# Altium PCB Mixed Signal Board Project.PcbDoc (part 2 of 3)
Units mm, origin at the board's own origin, x right, y up, seen from the top; angles counter-clockwise.
Board outline 70.23 x 70.1 mm, 4 copper layers (Top Layer, GND, VCC, Bottom Layer), stack 1.565 mm thick; 189 components, 143 nets, 740 pads, 392 vias.
Unrouted connection lines stored in the file: 6.
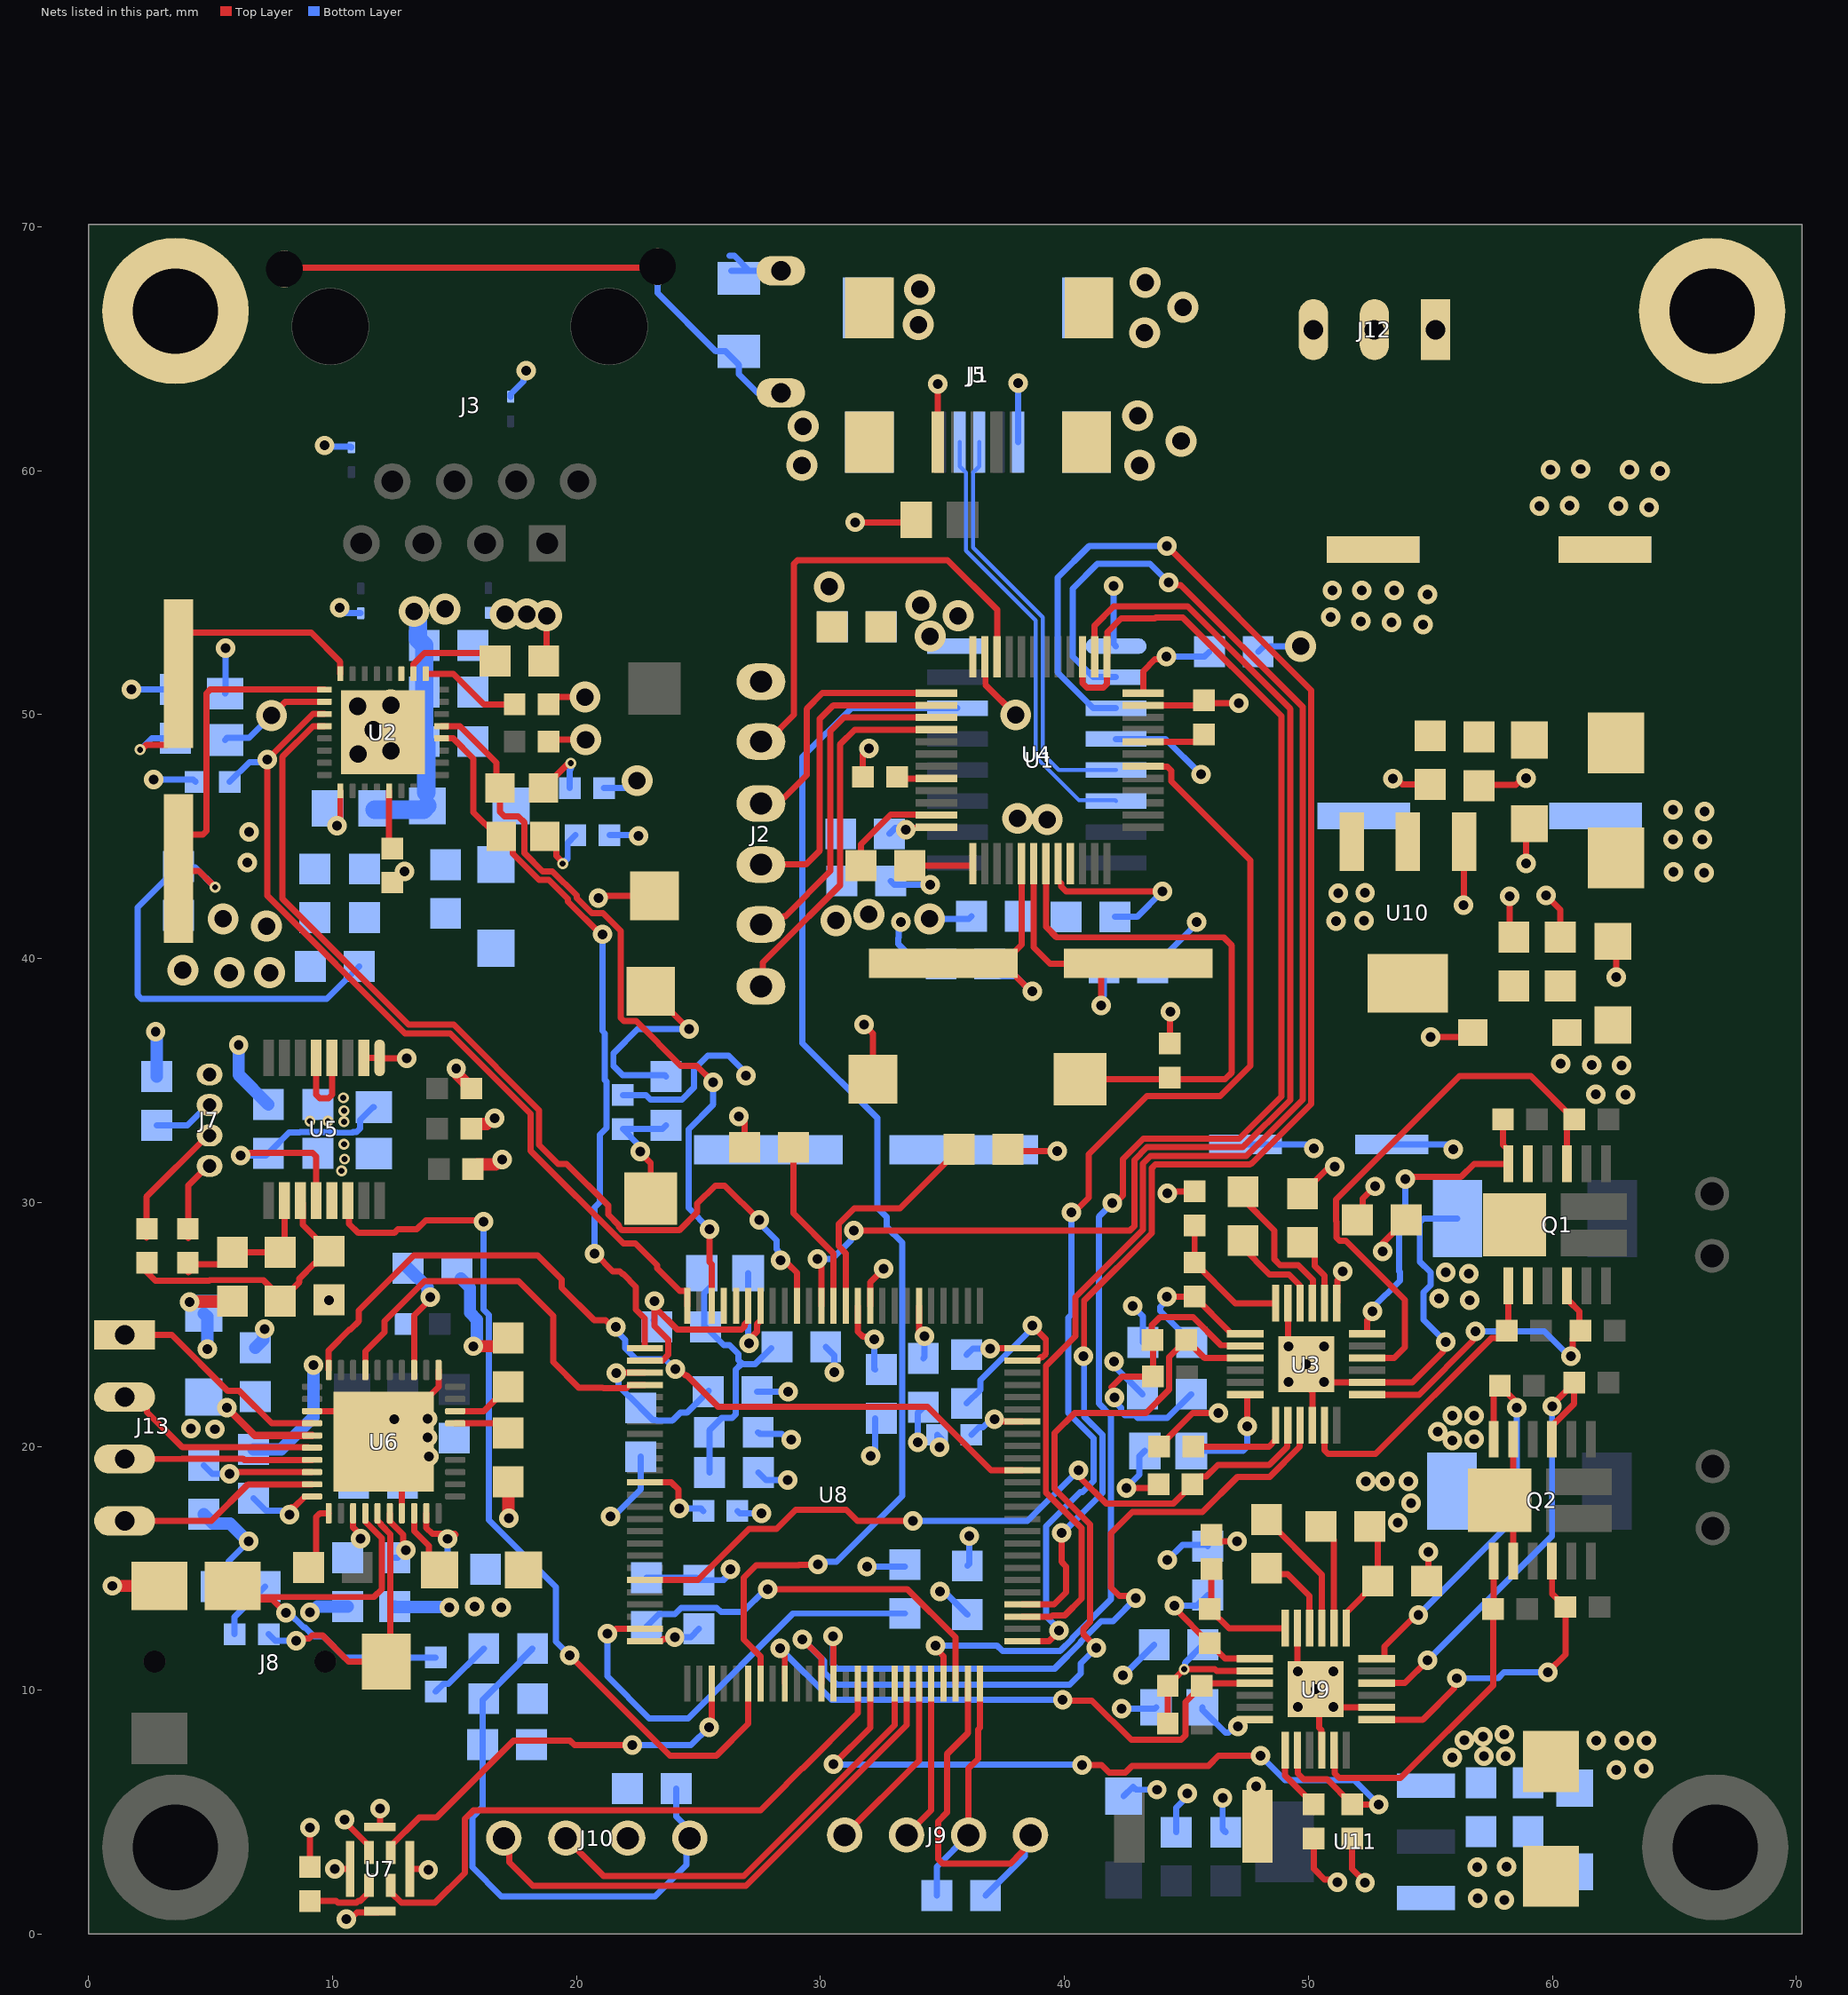
[diagram p4: the nets of this part, all layers, seen from the top]

## Via types
v1: diameter 0.8, hole 0.4, Top Layer to Bottom Layer, tented both sides, 339 vias
v2: diameter 1.27, hole 0.711, Top Layer to Bottom Layer, tented both sides, 40 vias
v3: diameter 0.45, hole 0.25, Top Layer to Bottom Layer, tented both sides, 13 vias

## Nets (pads, with @x,y where several pads share a name; then routed paths per layer and width w, separated by ;. In a path a pad name is that pad's centre, name@x,y a point inside that pad or via, vN(x,y) a via of type N, cw(c..) or ccw(c..) an arc to the next point about the centre after c; other vN are vias at no path point) (continued)
+3V3: C1.2 C2.1 C3.1 C5.2 C7.2 C8.2 C9.1 C16.2 C17.2 C18.2 C19.1 C26.2 C27.2 C30.2 C40.2 C41.2 C42.2 C43.2 C48.2 C49.2 C50.2 C51.2 C55.2 C56.2 C57.2 C58.2 C59.2 C60.2 C67.2 C75.2 C76.2 C77.2 D6.K FB1.1 FB2.1 FB4.1 J7.3 J9.3 J10.3 R2.2 R3.2 R5.2 R8.2 R9.2 R11.1 R21.1 R25.2 R26.2 R27.2 R32.2 R33.1 R35.2 R45.1 U1.1 U1.9 U1.24 U1.36 U1.48 U2.17 U4.4 U4.16 U5.13 U6.5 U6.8 U6.33 U7.1 U8.6 U8.11 U8.19 U8.28 U8.50 U8.75 U8.100 U10.2 U10.4 | length 93.8
  Top Layer w0.254: v1(5.78,18.872) 5.893,18.872 5.944,18.923 6.02,18.923 6.04,18.943 U6.8@9.155,18.943 ; R33.1@9.068,2.756 v1(9.068,4.369) ; v1(10.185,45.441) 10.185,45.588 10.315,45.718 U2.17@10.315,46.876 ; v1(10.49,4.699) 10.49,4.615 11.488,3.617 U7.1@11.488,3.342 ; R9.2@12.446,43.116 12.901,43.571 v1(12.939,43.571) ; U6.33@13.34,23.128 13.34,25.37 13.995,26.025 v1(13.995,26.111) ; R5.2@18.856,48.895 18.932,48.971 v2(20.371,48.971) ; R8.2@18.856,50.419 19.161,50.724 v2(20.345,50.724) ; v1(21.621,23.007) 21.632,23.018 U8.28@22.797,23.018 ; J10.3@22.098,3.937 J10.3@22.186,4.025 ; U8.50@22.797,12.018 23.473,12.018 23.555,12.099 23.946,12.099 v1(24.021,12.175) ; v1(27.075,24.232) 27.075,24.379 27.389,24.693 27.389,24.999 27.535,25.145 U8.19@27.535,25.756 ; v1(31.42,57.887) 33.823,57.887 R2.2@33.924,57.988 ; U8.11@31.535,25.756 31.535,24.696 31.742,24.488 32.103,24.488 v1(32.207,24.384) ; v1(33.503,45.279) 33.584,45.36 34.728,45.36 U1.48@34.751,45.383 ; U8.6@34.035,25.756 34.035,24.687 v1@34.085,24.636 ; v1(34.493,43.028) 34.442,43.028 C3.1@33.655,43.815 36.216,43.815 36.239,43.838 U1.1@36.239,43.895 ; J9.3@36.068,4.064 36.068,6.795 36.457,7.184 36.457,8.388 36.535,8.465 U8.75@36.535,10.28 ; v1(36.957,24.003) 36.972,24.018 U8.100@38.273,24.018 ; U1.24@43.227,50.883 43.227,51.787 43.711,52.27 44.066,52.27 v1(44.171,52.375) ; R21.1@43.879,19.99 45.256,21.368 v1(46.308,21.368) ; R3.2@44.323,36.513 44.323,37.795 v1(44.348,37.821) ; R45.1@50.216,3.924 50.216,2.681 50.659,2.238 51.077,2.238 v1(51.181,2.134)
  Top Layer w0.3: v1(5.664,21.59) 6.809,20.445 9.153,20.445 U6.5@9.155,20.443
  Top Layer w0.508: v1(15.066,35.488) 15.122,35.432 15.122,35.234 R27.2@15.685,34.671 ; R26.2@15.685,33.02 15.875,33.21 16.317,33.21 16.558,33.452 v1(16.637,33.452) ; R25.2@15.748,31.369 15.938,31.559 16.672,31.559 16.863,31.75 v1(16.942,31.75)
  Bottom Layer w0.254: v1(2.667,47.346) 4.28,47.346 R11.1@4.382,47.244 ; C30.2@2.794,33.163 4.045,33.163 4.878,33.996 J7.3@4.953,33.996 ; C40.2@4.724,19.212 5.064,18.872 v1(5.78,18.872) ; v1(21.621,23.007) 21.726,22.902 21.726,22.48 22.627,21.579 C58.2@22.627,21.569 ; R35.2@21.895,34.404 22.84,34.404 23.031,34.214 24.315,34.214 24.816,34.715 24.816,35.458 25.375,36.017 26.238,36.017 26.949,35.306 v1(26.949,35.204) ; C58.2@22.631,21.574 23.139,21.066 23.279,21.066 23.288,21.057 23.929,21.057 24.248,21.375 24.523,21.375 C59.2@25.416,22.268 ; v1(24.021,12.175) 24.681,12.175 C57.2@25.019,12.513 ; FB4.1@27.036,27.102 27.036,24.271 v1(27.075,24.232) ; v1(32.207,24.384) 32.207,23.174 C60.2@32.233,23.149 ; C1.2@32.826,45.11 33.08,45.364 33.417,45.364 v1(33.503,45.279) ; C2.1@32.877,43.18 33.029,43.028 v1(34.493,43.028) ; C67.2@34.214,23.606 34.263,23.655 v1(34.263,24.509) ; C50.2@34.763,1.575 34.763,2.759 J9.3@36.068,4.064 ; v1(34.9,14.046) 35.068,14.046 C56.2@36.017,13.097 ; C55.2@35.992,23.758 36.236,24.003 v1(36.957,24.003) ; U4.4@42.112,48.997 44.145,48.997 v1(45.593,47.549) ; v1(44.171,52.375) 45.736,52.375 C9.1@45.939,52.578
  Bottom Layer w0.508: C43.2@13.097,27.305 13.891,26.511 13.891,26.216 v1(13.995,26.111)
  other v1: 5.182,20.701 4.191,20.726 62.992,34.417 61.773,34.442 62.84,35.611 61.62,35.636 60.35,35.687 6.502,43.942 6.579,45.187
  other v2: 39.294,45.695 38.075,45.745 34.493,53.213 35.636,54.051 34.112,54.483
  other v3: 10.363,31.293 10.49,31.775 10.465,32.385
+12V: C22.2 C23.1 C68.2 C72.1 C73.1 C74.1 C90.2 C92.2 D5.A D7.A J12.3 Q1.2 Q1.11 Q1.15 Q2.2 Q2.11 Q2.15 U3.1 U9.1 | length 17.8
  Top Layer w0.254: C22.2@49.759,30.362 50.757,31.361 50.98,31.361 v1(51.084,31.466) ; U3.1@51.161,25.868 51.184,25.891 51.184,26.805 51.402,27.022 v1(51.402,27.17) ; U9.1@51.542,12.533 51.565,12.556 51.565,13.195 C92.2@52.848,14.478 52.848,16.377 C68.2@52.511,16.713 ; C90.2@52.01,29.286 52.226,29.502 52.226,30.153 v1(52.73,30.658) ; Q2.2@58.387,15.292 58.387,17.242 Q2.15@57.837,17.792 58.387,18.342 Q2.11@58.387,20.292
  Bottom Layer w0.254: C23.1@53.419,32.385 55.728,32.385 v1(55.931,32.182)
  other v1: 62.611,6.731 63.754,6.782 61.798,7.925 62.941,7.925 63.856,7.925 53.67,16.866 54.204,17.678 52.349,18.567 53.137,18.567 54.102,18.567 56.617,25.984 55.347,26.06 56.566,27.076 55.632,27.135 66.218,43.51 64.973,43.561 64.948,44.882 66.142,44.882 66.243,46.025 64.948,46.101 63.957,58.496 59.461,58.547 62.713,58.547 60.706,58.572 64.414,59.995 59.919,60.046 63.17,60.046 61.163,60.071
AIN0: J7.2 R28.2 | length 5.3
  Top Layer w0.254: R28.2@2.362,28.562 2.362,30.23 4.878,32.746 J7.2@4.953,32.746
AIN1: J7.1 R29.2 | length 3.4
  Top Layer w0.254: R29.2@4.089,28.537 4.089,30.707 4.878,31.496 J7.1@4.953,31.496
CAN_RX: J9.1 U8.70 | length 7.5
  Top Layer w0.254: J9.1@30.988,4.064 34.035,7.111 U8.70@34.035,10.28
CAN_TX: J9.2 U8.71 | length 6.6
  Top Layer w0.254: J9.2@33.528,4.064 34.535,5.071 U8.71@34.535,10.28
CH340_RTS: U4.14 U8.57 | length 51.7
  Top Layer w0.254: U8.57@27.535,10.28 27.535,11.398 26.846,12.087 26.846,14.618 27.356,15.129 29.099,15.129 29.115,15.145 29.877,15.145 v1(29.896,15.164)
  Bottom Layer w0.254: v1(29.896,15.164) 30,15.268 30.661,15.268 33.351,17.959 33.351,28.353 32.704,29 32.704,29.407 32.333,29.779 32.333,33.462 29.261,36.534 29.261,48.26 31.268,50.267 U4.14@35.612,50.267
CH340_RXD: U4.3 U8.79 | length 66.5
  Top Layer w0.254: U8.79@38.273,13.518 39.578,13.518 40.073,14.013 40.073,15.065 39.878,15.26 v1(39.878,16.459) ; v1(40.783,23.698) 40.803,23.718 40.803,25.969 43.571,28.738 43.571,31.404 43.72,31.553 47.602,31.553 47.646,31.598 47.676,31.598 50.114,34.036 50.114,51.003 v1(44.196,56.921)
  Bottom Layer w0.254: v1(39.878,16.459) 39.929,16.459 41.553,18.083 41.553,18.44 41.553,20.476 40.803,21.226 40.803,23.678 v1(40.783,23.698) ; U4.3@42.112,50.267 41.18,50.267 39.726,51.721 39.726,55.626 41.021,56.921 v1(44.196,56.921)
CH340_TXDPort: U4.2 U8.78 | length 63.8
  Top Layer w0.254: U8.78@38.273,13.018 39.456,13.018 39.512,13.073 40.02,13.073 40.7,13.753 40.7,16.643 39.237,18.106 39.237,19.297 39.237,23.296 40.449,24.508 40.449,26.116 43.217,28.884 43.217,31.599 43.526,31.907 47.455,31.907 49.76,34.212 49.76,50.316 44.758,55.318 44.377,55.318 v1(44.272,55.423)
  Bottom Layer w0.254: U4.2@42.112,51.537 41.18,51.537 40.335,52.381 40.335,55.172 41.349,56.186 43.509,56.186 v1(44.272,55.423)
CH340USB_D_N: J5.2 U4.6 | length 18.2
  Bottom Layer w0.166: J5.2@35.704,61.175 35.704,60.175 35.958,59.921 35.958,56.727 38.816,53.868 38.816,48.265 40.594,46.488 42.082,46.488 U4.6@42.112,46.457
CH340USB_D_P: J5.3 U4.5 | length 17.4
  Bottom Layer w0.166: J5.3@36.504,61.175 36.504,60.175 36.25,59.921 36.25,56.848 39.109,53.99 39.109,48.386 39.768,47.727 U4.5@42.112,47.727
CLK_MIC: U7.3 U8.65 | length 25.3
  Top Layer w0.254: U7.3@12.388,1.992 12.388,1.717 12.815,1.29 14.193,1.29 15.418,2.515 15.418,4.724 15.775,5.082 27.55,5.082 28.592,6.124 28.592,6.151 29.235,6.794 29.262,6.794 31.535,9.066 U8.65@31.535,10.28
COL: DS1.A U2.28 U8.26 | length 29.6
  Top Layer w0.254: U2.28@14.465,49.026 14.467,49.024 14.951,49.024 15.773,48.202 15.773,45.999 DS1.A@16.764,45.009 ; DS1.A@16.916,45.009 17.389,44.536 17.389,44.292 18.462,43.22 18.866,43.22 19.648,42.438 19.648,42.335 20.988,40.996 v1(21.056,40.996) ; v1(20.729,27.894) 20.771,27.894 21.487,27.178 21.77,27.178 21.889,27.059 21.911,27.059 22.428,26.542 22.428,25.604 22.797,25.236 U8.26@22.797,24.018
  Bottom Layer w0.254: v1(20.729,27.894) 20.729,29.793 20.95,30.014 20.95,32.774 21.223,33.047 21.223,34.955 21.155,35.024 21.155,36.932 21.056,37.031 v1(21.056,40.996)
CRS: DS2.A U2.29 U8.23 | length 31.1
  Top Layer w0.254: U2.29@14.465,49.526 14.467,49.524 15.221,49.524 16.713,48.031 DS2.A@16.713,46.99 ; DS2.A@16.866,46.99 16.866,46.009 17.039,45.836 17.61,45.836 17.867,45.579 17.867,44.315 18.609,43.574 19.013,43.574 20.002,42.584 20.002,42.482 20.631,41.854 21.085,41.854 21.811,41.128 21.811,37.565 21.944,37.432 22.444,37.432 24.273,35.603 24.925,35.603 v1(25.603,34.925) ; v1(25.451,28.905) 25.451,27.551 25.535,27.468 U8.23@25.535,25.756
  Bottom Layer w0.254: v1(25.451,28.905) 24.589,29.767 24.589,32.998 25.603,34.012 v1(25.603,34.925)
DOUT_MIC: U7.4 U8.53 | length 17.3
  Top Layer w0.254: U7.4@12.388,3.342 12.388,3.617 13.546,4.775 14.249,4.775 17.399,7.925 19.738,7.925 19.916,7.747 v1(22.276,7.747) ; v1(25.425,8.484) 25.425,8.631 25.535,8.741 U8.53@25.535,10.28
  Bottom Layer w0.254: v1(22.276,7.747) 24.689,7.747 v1(25.425,8.484)
DRDY: U5.14 U8.56 | length 37.3
  Top Layer w0.254: U5.14@10.625,30.078 10.677,30.026 10.677,29.125 11.055,28.747 12.525,28.747 12.673,28.896 13.446,28.896 13.821,29.271 v1@16.18,29.271 ; v1(19.71,11.43) 23.824,7.317 25.732,7.317 27.035,8.62 U8.56@27.035,10.28
  Bottom Layer w0.254: v1(16.18,29.21) 16.18,25.607 16.4,25.386 16.4,16.977 19.147,14.231 19.147,11.994 v1(19.71,11.43)
DVDD: C25.1 R22.2 R23.2 U3.8 | length 13
  Top Layer w0.254: v1(42.057,21.996) 41.952,22.101 41.952,22.392 41.924,22.421 42.363,22.86 R23.2@43.624,22.86 43.624,24.333 R22.2@43.599,24.359 43.586,24.371 43.586,24.968 43.917,25.298 45.266,25.298 46.424,24.141 47.388,24.141 U3.8@47.411,24.118
  Bottom Layer w0.254: v1(42.057,21.996) 42.057,21.849 42.33,21.576 42.33,21.409 42.463,21.276 42.872,21.276 42.99,21.158 44.212,21.158 C25.1@45.192,22.138
DVDD_2: C71.1 R46.2 R47.2 U9.8 | length 6.7
  Top Layer w0.254: R47.2@44.234,8.636 R46.2@44.234,10.185 v3(44.906,10.857) 46.17,10.857 46.243,10.783 U9.8@47.792,10.783
  Bottom Layer w0.254: v3(44.906,10.857) 44.943,10.894 44.943,11.126 C71.1@45.679,11.862
EARTH: C21.1 MH1.1 MH2.1 R12.1 | length 2.4
  Bottom Layer w0.254: 26.264,68.81 26.464,68.81 R12.1@27.075,68.199 ; R12.1@26.338,68.199 C21.1@27.686,68.199
EN: R24.2 U3.14 U8.45 | length 31.1
  Top Layer w0.254: U8.45@22.797,14.518 24.975,14.518 27.077,16.62 28.204,16.62 28.983,17.399 31.055,17.399 31.512,16.942 v1(33.782,16.942) ; v1(40.572,19.025) 40.669,18.928 40.669,18.691 41.699,17.661 44.471,17.661 R24.2@45.25,18.44 45.568,18.758 45.809,18.758 46.283,19.232 48.391,19.232 49.138,19.979 49.138,20.841 U3.14@49.161,20.864
  Bottom Layer w0.254: v1(33.782,16.942) 38.489,16.942 v1(40.572,19.025)
EN_2: R48.2 U8.66 U9.14 | length 32.3
  Top Layer w0.254: v1(30.531,6.96) 32.035,8.463 U8.66@32.035,10.28 ; v1(40.716,6.934) 41.527,6.934 41.832,6.629 42.496,6.629 42.769,6.903 45.9,6.903 46.313,7.315 v1(48.031,7.315) ; U9.14@49.547,7.54 49.57,7.517 49.57,6.589 49.809,6.35 50.762,6.35 R48.2@51.791,5.321 51.803,5.309 v1(52.883,5.309)
  Bottom Layer w0.254: v1(30.531,6.96) 30.543,6.947 40.703,6.947 v1(40.716,6.934) ; v1(48.031,7.315) 49.035,6.312 51.88,6.312 v1(52.883,5.309)
EXT_UART_RX: J10.1 U8.69 | length 22.2
  Top Layer w0.254: J10.1@17.018,3.937 17.247,3.708 17.247,2.946 18.212,1.981 26.94,1.981 33.535,8.576 U8.69@33.535,10.28
EXT_UART_TX: J10.2 U8.68 | length 18.4
  Top Layer w0.254: J10.2@19.558,3.937 21.107,2.388 26.846,2.388 33.035,8.577 U8.68@33.035,10.28
FAULT: R22.1 U3.9 U8.62 | length 36.3
  Top Layer w0.254: v1(29.261,12.09) 30.035,11.317 U8.62@30.035,10.28 ; v1(41.3,11.735) 41.3,11.761 40.767,12.295 40.767,12.505 41.054,12.792 41.054,16.789 39.591,18.252 39.591,19.15 39.591,20.541 40.419,21.369 43.344,21.369 44.296,22.321 44.296,23.658 R22.1@44.996,24.359 45.737,23.618 U3.9@47.411,23.618
  Bottom Layer w0.254: v1(29.261,12.09) 30.151,11.2 30.151,10.743 30.666,10.228 40.213,10.228 40.671,10.685 40.671,11.105 v1(41.3,11.735)
FAULT_2: R46.1 U8.59 U9.9 | length 24.3
  Top Layer w0.254: v1(28.336,11.72) 28.336,11.572 28.535,11.373 U8.59@28.535,10.28 ; v1(39.929,9.601) 39.954,9.576 41.123,9.576 42.734,7.965 44.773,7.965 44.96,8.151 44.96,9.514 R46.1@45.631,10.185 45.729,10.283 U9.9@47.792,10.283
  Bottom Layer w0.254: v1(28.336,11.72) 30.455,9.601 v1(39.929,9.601)
GH1: Q1.1 R15.2 U3.17 | length 12.6
  Top Layer w0.254: U3.17@50.661,20.864 50.661,19.834 50.81,19.685 52.758,19.685 57.51,24.437 57.826,24.437 R15.2@58.128,24.74 ; R15.2@58.122,24.734 58.198,24.734 Q1.1@58.198,26.583
GH1_2: Q2.1 R39.2 U9.17 | length 14.2
  Top Layer w0.254: U9.17@51.047,7.54 51.07,7.517 51.07,6.588 51.257,6.401 53.772,6.401 57.569,10.198 R39.2@57.569,13.335 57.587,13.353 Q2.1@57.587,15.292
GH2: Q1.12 R16.2 U3.24 | length 13.4
  Top Layer w0.254: U3.24@52.411,24.618 52.411,25.161 52.629,25.379 v1(52.629,25.527) ; v1(53.975,30.963) 54.058,31.046 56.255,31.046 56.792,31.583 Q1.12@58.198,31.583 58.198,32.133 57.975,32.356 R16.2@57.975,33.401
  Bottom Layer w0.254: v1(52.629,25.527) 52.629,25.675 53.751,26.797 53.751,27.148 53.723,27.177 53.723,29.638 53.975,29.891 v1(53.975,30.963)
GH2_2: Q2.12 R40.2 U9.24 | length 16.4
  Top Layer w0.254: U9.24@52.797,11.294 53.088,11.294 53.111,11.317 53.111,11.786 54.407,13.081 v1(54.508,13.081) ; Q2.12@57.587,20.292 57.587,22.218 R40.2@57.848,22.479 58.443,21.885 58.443,21.694 v1(58.547,21.59)
  Bottom Layer w0.254: v1(54.508,13.081) 58.547,17.12 v1(58.547,21.59)
GL1: Q1.4 R17.2 U3.19 | length 13.3
  Top Layer w0.254: U3.19@52.411,22.118 54.528,22.118 56.741,24.33 56.741,24.61 v1(56.845,24.714) ; Q1.4@60.598,26.583 60.598,26.033 60.671,25.96 60.679,25.96 61.1,25.54 R17.2@61.1,24.714 ; v1(60.757,23.698) 60.833,23.774 60.833,24.422 R17.2@61.15,24.74
  Bottom Layer w0.254: v1(56.845,24.714) 59.665,24.714 v1@60.706,23.673
GL1_2: Q2.4 R41.2 U9.19 | length 13.1
  Top Layer w0.254: U9.19@52.797,8.794 54.689,8.794 55.979,10.083 55.979,10.386 v1(56.083,10.49) ; v1(59.817,10.744) 60.541,11.468 R41.2@60.541,13.411 59.987,13.965 Q2.4@59.987,15.292
  Bottom Layer w0.254: v1(56.083,10.49) 57.777,10.49 58.019,10.731 59.804,10.731 v1(59.817,10.744)
GL2: Q1.9 R18.2 U3.22 | length 23.6
  Top Layer w0.254: U3.22@52.411,23.618 53.514,23.618 53.95,24.054 53.95,26.01 51.535,28.424 51.281,28.424 51.148,28.557 51.148,29.211 51.148,29.218 51.13,29.235 51.13,30.124 56.185,35.179 59.118,35.179 R18.2@60.896,33.401 60.598,33.103 Q1.9@60.598,31.583
GL2_2: Q2.9 R42.2 U9.22 | length 19
  Top Layer w0.254: U9.22@52.797,10.294 53.956,10.294 v1(54.889,11.227) ; Q2.9@59.987,20.292 59.987,20.842 60.896,21.751 R42.2@60.896,22.606 59.988,21.697 v1(59.988,21.633)
  Bottom Layer w0.254: v1(54.889,11.227) 59.988,16.325 v1(59.988,21.633)
GND: C1.1 C2.2 C3.2 C4.1 C5.1 C6.1 C7.1 C8.1 C9.2 C10.2 C11.2 C12.1 C13.1 C14.1 C15.2 C16.1 C17.1 C18.1 C19.2 C20.2 C23.2 C24.1 C25.2 C26.1 C27.1 C28.1 C30.1 C31.2 C32.2 C33.1 C34.1 C35.1 C36.1 C37.1 C39.1 C40.1 C41.1 C42.1 C43.1 C44.2 C45.2 C46.2 C47.2 C48.1 C49.1 C50.1 C51.1 C52.1 C53.1 C54.1 C55.1 C56.1 C57.1 C58.1 C59.1 C60.1 C61.1 C62.1 C63.1 C64.1 C65.1 C66.1 C67.1 C70.1 C71.2 C72.2 C73.2 C74.2 C75.1 C76.1 C77.1 C78.2 C79.1 C80.1 C81.1 C82.1 C83.1 C84.2 C85.1 C86.1 C87.1 C88.1 C90.1 C92.1 C93.2 D1.A D2.A D3.A D4.A D6.A D8.A J1.5 J1.6 J2.6 J5.5 J5.6 J7.4 J8.1 J9.4 J10.4 J12.1 J12.2 R1.2 R4.1 R6.2 R7.2 R10.1 R14.2 R19.1 R20.1 R24.1 R34.1 R36.1 R38.2 R43.1 R44.1 R48.1 SW1.1 SW2.1 SW3.1 U1.8 U1.23 U1.35 U1.47 U2.33 U3.5 U3.16 U3.20 U3.25 U4.1 U5.1 U5.2 U5.4 U5.5 U6.3 U6.17 U6.31 U6.41 U7.5 U8.10 U8.20 U8.27 U8.74 U8.99 U9.5 U9.16 U9.20 U9.25 U10.1 U11.1 | length 259.1
  Top Layer w0.254: U6.3@9.155,21.443 10.84,21.443 U6.41@12.09,20.193 ; U5.5@9.325,35.928 9.325,34.413 9.474,34.265 9.826,34.265 9.975,34.413 U5.4@9.975,35.928 ; v1(10.084,2.667) U7.5@10.713,2.667 ; v1(10.566,0.61) 10.714,0.61 10.999,0.894 11.89,0.894 U7.5@11.938,0.942 ; U5.2@11.275,35.928 U5.1@11.925,35.928 11.938,35.916 v1(13.03,35.916) ; U7.5@11.938,4.392 v1(11.938,5.156) ; U6.17@12.84,17.258 12.84,19.443 U6.41@12.09,20.193 ; U7.5@13.163,2.667 13.894,2.667 v1(13.919,2.642) ; U6.31@14.34,23.128 14.34,22.443 U6.41@12.09,20.193 ; C10.2@18.653,52.197 18.771,52.315 v2(18.771,54.051) ; v1(20.891,42.481) 20.98,42.57 SW2.1@23.19,42.57 ; U8.27@22.797,23.518 23.521,23.518 23.761,23.758 23.761,24.365 23.195,24.931 23.195,25.66 23.151,25.705 23.216,25.705 24.129,24.791 26.756,24.791 26.889,24.924 26.889,24.999 27.035,25.145 U8.20@27.035,25.756 ; SW3.1@23.038,38.659 24.587,37.109 v1(24.613,37.109) ; v1(26.645,33.528) 26.889,33.283 C54.1@26.889,32.258 ; C3.2@31.655,43.815 31.655,44.685 32.876,45.906 34.728,45.906 U1.47@34.751,45.883 ; R1.2@31.737,47.447 31.737,48.374 v1(31.979,48.616) ; v1(31.775,37.287) 32.14,36.923 SW1.1@32.14,35.052 ; U8.10@32.035,25.756 32.035,26.726 v1(32.588,27.28) ; v1(34.798,63.551) 34.801,63.548 34.801,61.178 J1.5@34.804,61.175 ; U8.74@36.035,10.28 36.035,8.234 35.179,7.379 35.179,4.978 34.823,4.623 34.823,3.073 35.001,2.896 37.795,2.896 38.02,3.12 38.02,3.152 38.608,3.74 J9.4@38.608,4.064 ; U1.35@36.739,52.371 36.762,52.348 36.762,51.224 v2(37.998,49.987) ; C53.1@37.678,32.182 37.754,32.106 v1(39.7,32.106) ; U8.99@38.273,23.518 38.883,23.518 39.029,23.664 39.104,23.664 39.237,23.797 39.237,24.39 v1(38.684,24.943) ; U1.8@39.739,43.895 39.739,43.195 39.862,43.072 39.862,42.951 40.065,42.748 v1(44.018,42.748) ; v1(42.534,18.288) 43.701,18.288 R24.1@43.853,18.44 ; U1.23@43.227,50.383 45.519,50.383 R4.1@45.72,50.584 45.834,50.47 v1(47.142,50.47) ; v1(44.221,30.378) 44.3,30.457 R14.2@45.335,30.457 ; R38.2@46.025,16.37 46.292,16.104 v1(47.066,16.104) ; v1(47.854,6.061) 47.854,4.479 D8.A@47.913,4.42 ; U3.5@49.161,25.868 49.161,24.118 v1(49.186,24.093) ; v1(49.186,22.643) 49.749,22.643 50.161,22.231 U3.16@50.161,20.864 ; U9.5@49.547,12.544 49.547,10.794 v1(49.572,10.769) ; v1(49.572,9.319) 50.136,9.319 50.434,9.021 50.434,8.458 50.524,8.367 50.524,7.563 U9.16@50.547,7.54 ; v1(50.636,22.643) 50.661,22.618 U3.20@52.411,22.618 54.266,22.618 55.522,23.873 55.522,24.178 v1(55.626,24.282) ; v1(51.022,9.319) 51.047,9.294 U9.20@52.797,9.294 ; R48.1@51.791,3.924 51.791,2.679 52.324,2.146 v1(52.324,2.108) ; v1(53.035,27.991) 53.035,28.312 C90.1@54.01,29.286 ; v1(53.467,47.371) 53.615,47.371 53.853,47.133 C80.1@54.991,47.133 ; C92.1@54.848,14.478 54.915,14.545 v1(54.915,15.672) ; v1(55.016,36.779) 56.553,36.779 D6.A@56.737,36.963 ; v1(56.363,42.189) 56.377,42.203 U10.1@56.377,44.785 ; C78.2@56.998,47.082 57.033,47.117 58.501,47.117 58.78,47.396 v1(58.928,47.396) ; v1(58.242,42.545) 58.242,41.056 C75.1@58.42,40.878 ; v1(58.928,43.891) 58.928,45.398 C79.1@59.06,45.53 ; v1(59.741,42.596) 60.325,42.012 C76.1@60.325,40.878 ; C77.1@62.479,40.703 62.611,40.571 v1(62.611,39.243)
  Top Layer w0.508: v1(0.966,14.276) v1(0.966,14.276) J8.1@2.898,14.276 ; v1@4.42,25.933 5.877,25.933 C87.1@5.893,25.949 ; v1(15.773,24.105) 16.856,24.105 C45.2@17.196,24.444 ; C44.2@17.196,18.549 17.209,18.536 17.209,17.056 v1(17.221,17.043)
  Bottom Layer w0.254: v1@1.762,51.038 v1(1.753,51.029) 3.547,51.029 C15.2@3.556,51.038 ; C20.2@3.683,41.774 C20.2@3.826,41.631 ; C31.2@5.223,14.249 5.731,14.757 5.731,15.281 v1(6.553,16.104) ; R10.1@5.588,50.861 5.613,50.886 v1(5.613,52.73) ; v1(9.677,61.036) 9.718,60.995 10.747,60.995 10.77,60.972 D2.A@10.77,60.954 ; v1(10.287,54.381) 10.51,54.159 D1.A@11.151,54.159 ; D4.A@17.297,63.037 17.297,63.132 17.828,63.662 17.828,64.005 v1(17.932,64.11) ; C32.2@18.196,11.709 17.688,11.201 17.688,11.144 C48.1@16.196,9.652 16.145,9.601 C49.1@16.145,7.772 16.145,5.215 15.723,4.793 15.723,2.743 16.916,1.549 23.216,1.549 24.497,2.831 24.497,3.796 J10.4@24.638,3.937 24.638,4.261 24.079,4.819 C51.1@24.079,5.969 ; R7.2@21.12,46.99 22.276,46.99 v2@22.377,47.092 ; R6.2@21.349,45.06 22.504,45.06 v1(22.53,45.034) ; v1(21.387,17.12) 21.514,17.12 22.631,18.237 C58.1@22.631,19.574 ; C61.1@22.86,14.614 24.917,14.614 C57.1@25.019,14.513 26.041,14.513 26.041,14.549 26.298,14.807 v1(26.298,14.954) ; C64.1@23.16,25.162 23.19,25.192 v1(23.19,25.961) ; C52.1@23.673,35.163 23.611,35.225 21.876,35.225 21.509,35.592 21.509,36.112 22.507,37.109 v1(24.613,37.109) ; R34.1@26.594,17.348 26.695,17.247 v1(27.584,17.247) ; C59.1@27.391,22.242 27.394,22.246 v1(28.677,22.246) ; C66.1@27.441,20.574 27.505,20.511 28.414,20.511 28.656,20.269 v1(28.804,20.269) ; C65.1@27.451,18.923 27.756,18.618 v1(28.659,18.618) ; C63.1@30.21,24.079 30.556,23.733 v1(30.556,23.038) ; v1(31.902,15.062) C62.1@33.452,15.062 ; v1(32.053,19.609) 32.053,19.757 32.233,19.936 C60.1@32.233,21.149 ; v1(33.299,41.504) 33.195,41.399 33.195,40.853 33.191,40.85 33.191,40.596 34.011,39.776 C4.1@34.941,39.776 ; v1(33.978,20.168) 33.978,21.37 C67.1@34.214,21.606 ; v2(34.468,41.631) 36.084,41.631 C7.1@36.186,41.732 ; v1(34.874,19.964) 34.874,20.155 34.892,20.172 R36.1@34.95,20.172 ; C55.1@35.992,21.758 36.551,22.317 36.551,22.71 38.684,24.843 v1(38.684,24.943) ; C56.1@36.017,15.097 36.093,15.173 v1(36.093,16.315) ; C50.1@36.763,1.575 38.379,3.191 38.379,3.835 J9.4@38.608,4.064 ; v1(38.1,63.602) 38.102,63.6 38.102,61.177 J5.5@38.104,61.175 ; v1(42.012,55.27) 42.012,52.907 U4.1@42.112,52.807 ; v1(42.037,23.47) 42.037,23.293 C25.2@43.192,22.138 ; C8.1@42.072,41.707 42.977,41.707 v1(44.018,42.748) ; v1(42.342,9.246) 43.703,9.246 R43.1@43.754,9.296 ; v1(42.393,10.617) 42.434,10.617 C71.2@43.679,11.862 ; C83.1@42.423,5.651 42.813,6.041 42.933,5.921 v1(43.788,5.921) ; v1(42.534,18.288) 43.076,18.83 43.076,19.591 R19.1@43.297,19.812 ; v1(42.799,25.756) 43.221,25.333 C24.1@43.221,24.257 ; C6.1@43.621,39.624 45.314,41.317 45.314,41.394 v1(45.415,41.496) ; v1(44.221,15.342) 44.831,15.951 45.831,15.951 C70.1@45.872,15.91 ; C82.1@44.577,4.175 44.577,5.191 45.034,5.648 v1(45.034,5.766) ; v1(46.482,5.588) 46.482,4.302 C81.1@46.609,4.175 ; C23.2@47.419,32.385 50.038,32.385 v1(50.216,32.207) ; C9.2@47.939,52.578 48.168,52.806 v2(49.682,52.806) ; v1(55.626,24.282) 54.72,25.189 54.72,26.32 55.005,26.606 55.005,27.134 54.563,27.576 54.563,29.188 54.712,29.337 R20.1@56.109,29.337 ; R36.1@34.95,20.172 34.785,20.337 R36.1@34.785,20.472 34.95,20.307 R36.1@34.95,20.172
  Bottom Layer w0.508: v1(2.743,37.008) 2.794,36.957 C30.1@2.794,35.163 ; C40.1@4.724,17.212 5.105,16.831 5.801,16.831 6.528,16.104 v1(6.553,16.104) ; C41.1@4.724,25.451 4.863,25.312 v1(4.863,23.989) ; v1(6.147,36.449) 6.147,35.239 C28.1@7.366,34.02 ; C39.1@6.756,19.872 7.883,19.872 9.213,21.202 v1(9.213,23.336) ; C42.1@6.833,24.038 7.159,24.364 7.159,24.758 v1(7.214,24.814) ; v1(9.068,13.194) 9.147,13.194 9.38,13.427 C37.1@10.617,13.427 ; C36.1@12.548,13.427 12.568,13.407 14.762,13.407 v1(14.783,13.386) ; C43.1@15.249,26.873 15.63,26.492 15.63,25.476 15.918,25.189 15.918,24.328 15.773,24.184 v1(15.773,24.105)
  other v1: 55.905,7.239 57.201,7.29 58.09,7.29 56.388,7.95 57.15,8.103 58.039,8.179 50.297,10.044 51.022,10.769 16.916,13.386 15.824,13.437 13.945,19.583 55.905,20.244 56.794,20.295 13.894,20.371 55.296,20.599 12.522,21.107 13.894,21.133 55.905,21.26 56.794,21.26 49.911,23.368 50.636,24.093 4.135,25.921 9.855,25.984 51.13,41.529 52.273,41.554 51.232,42.672 52.324,42.697 54.697,53.695 53.406,53.79 52.154,53.828 50.921,53.998 54.887,54.928 50.978,55.093 52.192,55.099 53.518,55.093
  other v2: 5.766,39.421 7.417,39.421 3.861,39.522 7.29,41.326 30.632,41.554 5.512,41.631 31.979,41.808 22.479,47.295 11.049,48.387 12.384,48.514 11.659,49.378 11.024,50.343 12.384,50.394 17.069,54.127 17.958,54.127 30.353,55.245 29.235,60.223 43.078,60.223 44.78,61.214 29.286,61.824 43.002,62.255 43.282,65.659 34.011,65.989 44.856,66.7 34.061,67.437 43.307,67.716
  other v3: 10.465,33.312 9.068,33.334 9.804,33.334 10.465,33.757 10.439,34.29
INT: R9.1 U2.21 | length 2.4
  Top Layer w0.254: U2.21@12.315,46.876 12.315,44.644 R9.1@12.446,44.513
JTCK/SWCLK_F103: J2.4 U1.37 | length 10.7
  Top Layer w0.254: J2.4@27.559,46.355 27.797,46.593 28.509,46.593 29.439,47.523 29.439,50.241 30.08,50.883 U1.37@34.751,50.883
JTCLK_408: U1.18 U8.76 | length 45.9
  Top Layer w0.254: U8.76@38.273,12.018 39.371,12.018 39.772,12.419 v1(39.772,12.446) ; v1(40.284,29.591) 40.386,29.591 40.996,30.201 40.996,31.971 43.379,34.354 46.387,34.354 47.625,35.593 47.625,44.02 44.374,47.272 44.374,47.701 44.215,47.86 43.25,47.86 U1.18@43.227,47.883
  Bottom Layer w0.254: v1(39.772,12.446) 39.772,12.509 39.251,13.03 39.251,16.719 40.652,18.12 40.732,18.12 41.199,18.587 41.199,20.33 40.156,21.373 40.156,25.272 40.284,25.4 v1(40.284,29.591)
JTDI_F103: J2.3 U1.38 | length 13.1
  Top Layer w0.254: J2.3@27.559,43.855 29.402,43.855 29.972,44.425 29.972,49.835 30.52,50.383 U1.38@34.751,50.383
JTDO_F103: J2.2 U1.39 | length 14.1
  Top Layer w0.254: J2.2@27.559,41.395 28.146,41.395 28.49,41.739 28.556,41.739 30.404,43.586 30.404,49.318 30.969,49.883 U1.39@34.751,49.883
JTMS/SWDIO_F103: J2.5 U1.34 | length 19.2
  Top Layer w0.254: J2.5@27.559,48.895 27.809,48.895 28.905,49.991 28.905,56.188 29.054,56.337 35.204,56.337 37.239,54.303 U1.34@37.239,52.371
JTMS_F407: U1.25 U1.27 U8.72 | length 65.2
  Top Layer w0.254: v1(34.722,11.836) 34.722,11.711 35.035,11.398 U8.72@35.035,10.28 ; U1.27@40.739,52.371 40.739,51.285 40.919,51.105 41.59,51.105 41.739,51.254 U1.25@41.739,52.371 41.754,52.386 41.754,53.387 42.316,53.95 43.713,53.95 43.739,53.975 44.856,53.975 48.897,49.935 48.897,34.35 47.162,32.615 43.232,32.615 42.393,31.775 42.393,30.277 42.088,29.972 v1(41.961,29.972)
  Bottom Layer w0.254: v1(34.722,11.836) 37.23,11.836 37.459,11.608 39.82,11.608 40.319,12.107 40.319,12.141 41.907,13.729 41.907,18.294 41.907,21.259 41.41,21.757 41.41,29.418 41.961,29.969 v1(41.961,29.972)
LRCK: U6.40 U8.90 | length 35.3
  Top Layer w0.254: U6.40@9.84,23.128 9.84,23.93 10.695,24.784 10.731,24.784 11.071,25.125 11.071,25.576 13.329,27.834 18.401,27.834 19.395,26.84 19.395,26.496 20.726,25.164 21.191,25.164 21.464,24.891 v1(21.612,24.891) ; v1(24.05,23.16) 24.198,23.16 24.448,22.91 24.512,22.91 25.803,21.619 34.391,21.619 36.992,19.018 U8.90@38.273,19.018
  Bottom Layer w0.254: v1(21.612,24.891) 21.612,24.743 21.991,24.364 21.991,24.024 22.444,23.571 23.628,23.571 24.039,23.16 v1(24.05,23.16)
MCLK: U6.37 U8.29 | length 16.7
  Top Layer w0.254: U6.37@11.34,23.128 11.34,23.892 12.133,24.685 12.133,25.136 13.769,26.772 17.617,26.772 19.038,25.35 19.038,23.456 20.083,22.411 21.062,22.411 21.094,22.38 22.048,22.38 22.186,22.518 U8.29@22.797,22.518
MDC: U2.12 U8.16 | length 40.1
  Top Layer w0.254: U2.12@9.665,49.526 9.193,49.526 7.942,48.275 7.942,42.452 13.106,37.288 14.96,37.288 18.466,33.782 18.466,32.364 19.248,31.581 19.588,31.581 21.293,29.876 21.293,29.498 21.736,29.055 21.736,28.99 21.869,28.857 24.207,28.857 24.945,29.595 24.945,29.95 25.684,30.688 26.073,30.688 v1(27.484,29.277) ; v1(28.354,27.635) 28.502,27.635 28.846,27.292 28.855,27.292 29.035,27.112 U8.16@29.035,25.756
  Bottom Layer w0.254: v1(27.484,29.277) 27.484,29.158 28.191,28.451 28.191,28.084 28.25,28.025 28.25,27.74 v1(28.354,27.635)
MDIO: R11.2 U2.11 U8.25 | length 36.1
  Top Layer w0.254: v1(7.315,48.158) 7.315,42.579 12.96,36.934 14.813,36.934 18.112,33.635 18.112,32.113 21.912,28.313 22.409,28.313 23.3,27.422 23.3,27.299 24.233,26.366 24.535,26.366 U8.25@24.535,25.756 ; v1@7.339,48.173 9.192,50.026 U2.11@9.665,50.026
  Bottom Layer w0.254: R11.2@5.779,47.244 6.588,48.054 7.211,48.054 v1(7.315,48.158)
NetC4_2: C4.2 U1.5 X1.1 | length 10.7
  Top Layer w0.254: X1.1@35.028,39.802 X1.1@37.476,39.802 ; U1.5@38.239,43.895 38.239,40.565 X1.1@37.476,39.802 ; v1(38.684,38.659) 38.619,38.659 X1.1@37.476,39.802
  Bottom Layer w0.254: C4.2@36.941,39.776 37.449,39.268 38.01,39.268 38.619,38.659 v1(38.684,38.659)
NetC6_2: C6.2 U1.6 X1.2 | length 11.5
  Top Layer w0.254: U1.6@38.739,43.895 38.739,40.458 39.407,39.79 X1.2@41.965,39.79 ; v1(41.504,38.075) 41.504,39.329 X1.2@41.965,39.79 ; X1.2@43.028,39.802 41.977,39.802 X1.2@41.965,39.79
  Bottom Layer w0.254: v1(41.504,38.075) 41.478,38.1 41.478,38.329 41.621,38.472 C6.2@41.621,39.624
NetC10_1: C10.1 U2.2 | length 4.1
  Top Layer w0.254: U2.2@13.315,51.676 13.317,51.678 13.317,52.077 13.767,52.527 16.323,52.527 C10.1@16.653,52.197
NetC11_1: C11.1 C12.2 C13.2 C14.2 FB1.2 U2.3 | length 9.8
  Bottom Layer w0.762: FB1.2@11.729,46.101 13.724,46.101 C11.1@13.881,46.258 ; v2(13.335,54.229) 13.335,54.092 13.5,53.926 13.5,53.086 C14.2@13.754,52.832 C13.2@13.754,50.927 C12.2@13.754,48.895 13.831,48.819 13.831,46.817 C11.1@13.839,46.809
  other v2: 14.605,54.331
NetC15_1: C15.1 U2.8 Y1.2 | length 15
  Top Layer w0.254: v3(2.108,48.565) 2.161,48.565 2.363,48.767 3.21,48.767 3.683,49.24 3.683,52.884 4.156,53.357 9.127,53.357 10.313,52.171 10.313,51.678 U2.8@10.315,51.676
  Bottom Layer w0.254: v3(2.108,48.565) 2.581,49.038 C15.1@3.556,49.038
NetC20_1: C20.1 C93.1 U2.9 Y1.1 | length 31.5
  Top Layer w0.254: v3(5.182,42.926) 4.515,43.592 3.779,43.592 Y1.1@3.683,43.688 3.683,44.612 4.156,45.085 4.677,45.085 4.826,45.234 4.826,50.877 4.975,51.026 U2.9@9.665,51.026
  Bottom Layer w0.254: C20.1@3.683,43.774 2.007,42.097 2.007,38.503 2.155,38.354 9.763,38.354 C93.1@11.084,39.675 ; 4.331,43.739 4.369,43.739 v3(5.182,42.926)
NetC21_2: C21.2 J3.9 J3.10 R12.2 | length 22.7
  Top Layer w0.254: J3.9@8.021,68.268 8.071,68.318 23.271,68.318 J3.10@23.321,68.368
  Bottom Layer w0.254: J3.10@23.321,68.368 23.321,67.283 25.708,64.896 25.908,64.896 26.108,64.896 26.656,64.348 26.656,63.956 27.413,63.199 C21.2@27.686,63.199
NetC22_1: C22.1 U3.2 | length 2.8
  Top Layer w0.254: C22.1@49.733,28.134 49.987,28.134 50.267,27.854 50.267,27.393 50.661,26.999 U3.2@50.661,25.868
NetC24_2: C24.2 R13.1 U3.7 | length 6.4
  Top Layer w0.254: v1(44.198,26.139) R13.1@45.335,26.139 46.788,24.686 46.788,24.641 46.811,24.618 U3.7@47.411,24.618
  Bottom Layer w0.254: v1(44.198,26.139) 44.198,25.991 43.919,25.712 43.919,25.559 C24.2@45.221,24.257
NetC28_2: C28.2 FB2.2 U5.12 | length 11.5
  Top Layer w0.254: v1(6.223,31.928) 6.325,32.029 9.176,32.029 9.325,31.881 U5.12@9.325,30.078
  Bottom Layer w0.254: v1(6.223,31.928) 7.274,31.928 C28.2@7.366,32.02 8.215,32.869 8.656,32.869 8.669,32.882 10.127,32.882 10.149,32.86 10.814,32.86 10.84,32.886 10.979,32.886 11.127,33.035 11.127,33.386 11.65,33.909 FB2.2@11.684,33.909
NetC29_1: C29.1 C87.2 R29.1 U5.10 | length 6.4
  Top Layer w0.254: R29.1@4.089,27.14 4.407,27.457 5.401,27.457 C87.2@5.893,27.949 8.026,27.949 8.025,27.951 U5.10@8.025,30.078
NetC29_2: C29.2 C88.2 R28.1 U5.11 | length 11.6
  Top Layer w0.254: R28.1@2.362,27.165 2.742,26.786 4.935,26.786 4.966,26.817 7.159,26.817 8.026,25.949 8.026,26.127 8.639,26.74 8.639,26.876 9.255,27.492 9.347,27.492 C88.2@9.855,28 8.773,29.082 8.773,29.98 U5.11@8.675,30.078
NetC31_1: C31.1 R30.2 | length 2.5
  Bottom Layer w0.254: R30.2@5.982,12.294 5.982,13.008 C31.1@7.223,14.249
NetC32_1: C32.1 R31.2 | length 2.7
  Bottom Layer w0.254: R31.2@14.224,9.944 14.541,10.262 14.748,10.262 C32.1@16.196,11.709
NetC33_2: C33.2 C36.2 C37.2 FB3.2 U6.13 U6.16 | length 3.5
  Top Layer w0.254: U6.13@10.84,17.258 10.842,17.256 10.842,16.663 11.135,16.37 v1(11.135,16.223) ; U6.16@12.34,17.258 12.34,16.927 12.888,16.379 12.888,15.852 v1(12.993,15.748)
  Bottom Layer w0.254: C36.2@12.548,15.427 12.672,15.427 v1(12.993,15.748)
NetC38_1: C38.1 U6.11 | length 2.4
  Top Layer w0.254: C38.1@9.49,15.342 9.33,15.502 9.33,17.109 9.479,17.258 U6.11@9.84,17.258
NetC39_2: C39.2 U6.10 | length 2.8
  Top Layer w0.254: v1@8.306,17.501 8.422,17.501 8.864,17.943 U6.10@9.155,17.943
  Bottom Layer w0.254: C39.2@6.756,17.872 7.264,17.364 7.914,17.364 8.082,17.196 v1(8.23,17.196)
NetC44_1: C44.1 U6.27 | length 2.3
  Top Layer w0.254: U6.27@15.025,20.943 16.801,20.943 C44.1@17.196,20.549
NetC45_1: C45.1 U6.28 | length 2.6
  Top Layer w0.254: U6.28@15.025,21.443 16.194,21.443 C45.1@17.196,22.444
NetC46_1: C46.1 U6.19 | length 3.3
  Top Layer w0.254: U6.19@13.84,17.258 13.842,17.256 13.842,16.656 14.09,16.408 15.011,16.408 v1@15.037,16.383
  Bottom Layer w0.254: C46.1@14.265,14.961 14.707,15.402 v1(14.707,16.205)
NetC47_1: C47.1 U6.18 | length 2.8
  Top Layer w0.254: U6.18@13.34,17.258 13.342,17.256 13.342,16.528 13.946,15.924 13.946,15.374 C47.1@14.389,14.93
NetC53_2: C53.2 U8.12 X2.2 | length 9.7
  Top Layer w0.254: U8.12@31.035,25.756 31.035,27.909 30.742,28.202 30.742,29.114 31.383,29.755 33.251,29.755 C53.2@35.678,32.182
NetC54_2: C54.2 U8.13 X2.1 | length 7.2
  Top Layer w0.254: C54.2@28.889,32.258 28.889,29.554 30.535,27.909 U8.13@30.535,25.756
NetC61_2: C61.2 U8.73 | length 16.2
  Top Layer w0.254: v1(27.827,14.148) 33.556,14.148 35.535,12.169 U8.73@35.535,10.28
  Bottom Layer w0.254: C61.2@22.86,12.614 23.368,13.122 24.037,13.122 24.29,13.375 25.748,13.375 25.916,13.207 26.821,13.207 27.762,14.148 v1(27.827,14.148)
NetC62_2: C62.2 U8.49 | length 18.7
  Top Layer w0.254: v1(21.26,12.319) 21.408,12.319 21.606,12.518 U8.49@22.797,12.518 U8.49@23.407,12.518
  Bottom Layer w0.254: v1(21.26,12.319) 21.26,10.566 22.979,8.847 24.576,8.847 28.877,13.148 C62.2@33.452,13.148
NetC63_2: C63.2 C64.2 C65.2 C66.2 FB4.2 U8.21 U8.22 | length 10.8
  Bottom Layer w0.254: C64.2@25.232,24.892 25.232,26.283 FB4.2@25.466,26.518 ; C64.2@25.282,24.892 26.027,24.147 26.269,24.147 26.637,23.78 26.637,23.538 26.798,23.376 ; C65.2@25.451,18.923 25.451,20.641 25.441,20.65 25.949,21.158 26.38,21.158 26.529,21.307 26.529,23.153 26.752,23.376 26.798,23.376 ; C63.2@27.981,24.028 27.329,23.376 26.798,23.376
NetC68_1: C68.1 U9.2 | length 4.4
  Top Layer w0.254: C68.1@50.511,16.713 51.042,16.183 U9.2@51.042,12.533
NetC70_2: C70.2 R37.1 U9.7 | length 5.8
  Top Layer w0.254: v1(44.501,13.462) 44.501,13.373 R37.1@45.949,11.925 46.58,11.294 U9.7@47.797,11.294
  Bottom Layer w0.254: v1(44.501,13.462) 45.425,13.462 C70.2@45.872,13.91
NetC78_1: C78.1 C79.2 C80.2 D5.K U10.3
NetC84_1: C84.1 C85.2 C86.2 D7.K U11.3
  other v1: 58.039,1.397 56.947,1.473 56.921,2.743 58.115,2.769
NetC89_1: C89.1 U3.4 | length 3.8
  Top Layer w0.254: C89.1@47.269,28.185 48.403,27.051 49.199,27.051 49.638,26.612 49.638,26.491 49.661,26.468 U3.4@49.661,25.868
NetC89_2: C89.2 U3.3 | length 6
  Top Layer w0.254: C89.2@47.269,30.185 48.604,28.85 48.604,27.672 48.844,27.432 49.581,27.432 50.184,26.829 50.184,25.891 U3.3@50.161,25.868
NetC91_1: C91.1 U9.4 | length 3.6
  Top Layer w0.254: C91.1@48.285,15.002 48.534,14.754 49.153,14.754 50.042,13.864 U9.4@50.042,12.533
NetC91_2: C91.2 U9.3 | length 5.4
  Top Layer w0.254: C91.2@48.285,17.002 50.542,14.745 U9.3@50.542,12.533
NetDS1_K: DS1.K R6.1 | length 2.8
  Top Layer w0.254: DS1.K@18.694,45.009 19.167,44.536 19.167,44.208 19.431,43.944 v3(19.431,43.891)
  Bottom Layer w0.254: v3(19.431,43.891) 19.634,44.094 19.634,44.742 R6.1@19.952,45.06
NetDS2_K: DS2.K R7.1 | length 2.6
  Top Layer w0.254: DS2.K@18.644,46.99 19.622,47.968 19.724,47.968 v3(19.761,48.006)
  Bottom Layer w0.254: R7.1@19.723,46.99 19.723,47.739 19.77,47.786 19.77,47.997 v3(19.761,48.006)
NetJ8_2: J8.2 R30.1 U6.15 | length 11.5
  Top Layer w0.254: v1(8.499,12.022) 8.603,12.126 9.036,12.126 9.153,12.243 9.588,12.243 10.655,11.176 J8.2@12.198,11.176 12.366,11.344 12.366,16.401 11.988,16.778 11.988,16.814 11.986,16.816 11.986,16.821 U6.15@11.842,16.965
  Bottom Layer w0.254: R30.1@7.379,12.294 7.651,12.022 v1(8.499,12.022)
NetJ8_3: J8.3 R31.1 U6.14 | length 18.6
  Top Layer w0.254: J8.3@5.898,14.276 6.298,14.276 J8.3@6.579,13.995 ; v1(8.081,13.167) 7.528,13.719 6.855,13.719 J8.3@6.579,13.995 ; U6.14@11.34,17.258 11.34,16.904 12.012,16.233 12.012,14.144 11.689,13.821 6.753,13.821 J8.3@6.579,13.995
  Bottom Layer w0.254: v1(8.081,13.167) 8.208,13.167 8.808,12.567 8.868,12.567 9.234,12.202 9.629,12.202 10.49,11.341 R31.1@14.224,11.341
NetR1_1: R1.1 U1.44 | length 1.6
  Top Layer w0.254: R1.1@33.007,47.422 R1.1@33.019,47.434 ; R1.1@33.134,47.383 U1.44@34.751,47.383
NetR4_2: R4.2 U1.20 | length 2.6
  Top Layer w0.254: U1.20@43.227,48.883 45.416,48.883 R4.2@45.72,49.187
NetR8_1: R8.1 U2.1 | length 4.2
  Top Layer w0.254: U2.1@13.815,51.676 14.948,51.676 16.205,50.419 R8.1@17.459,50.419
NetR10_2: R10.2 U2.10 | length 4.7
  Top Layer w0.254: v2(7.493,49.962) 8.057,50.526 U2.10@9.665,50.526
  Bottom Layer w0.254: R10.2@5.588,48.961 5.672,49.045 6.57,49.045 v2@7.487,49.962
NetR13_2: R13.2 R14.1 U3.6 | length 5.5
  Top Layer w0.254: R14.1@45.335,29.06 R13.2@45.335,27.536 47.003,25.868 U3.6@48.661,25.868
NetR19_2: R19.2 U3.12 | length 4.6
  Top Layer w0.254: U3.12@47.411,22.118 47.475,22.118 47.498,22.095 v1(47.498,20.828)
  Bottom Layer w0.254: R19.2@45.197,19.812 47.333,19.812 47.498,19.977 v1(47.498,20.828)
NetR21_2: R21.2 U3.13 | length 4.1
  Top Layer w0.254: R21.2@45.276,19.99 48.383,19.99 48.661,20.268 U3.13@48.661,20.868
NetR33_2: R33.2 U7.2 | length 2.9
  Top Layer w0.254: R33.2@9.068,1.359 10.149,1.359 10.218,1.29 10.982,1.29 11.056,1.364 11.135,1.364 11.488,1.717 U7.2@11.488,1.992
NetR34_2: R34.2 U8.37 | length 3.3
  Top Layer w0.254: U8.37@22.797,18.518 23.885,18.518 24.171,18.231 24.171,17.485 v1(24.206,17.45)
  Bottom Layer w0.254: v1(24.206,17.45) 25.095,17.45 R34.2@25.197,17.348
NetR36_2: R36.2 U8.94 | length 2.4
  Top Layer w0.254: v1(37.126,21.102) 37.211,21.018 U8.94@38.273,21.018
  Bottom Layer w0.254: R36.2@36.182,20.472 36.5,20.79 36.666,20.79 36.979,21.102 v1(37.126,21.102)
NetR37_2: R37.2 R38.1 U9.6 | length 5.1
  Top Layer w0.254: R38.1@46.025,14.973 46.025,13.399 R37.2@45.949,13.322 46.738,12.533 U9.6@49.042,12.533
NetR43_2: R43.2 U9.12 | length 3
  Top Layer w0.254: v1(47.117,8.507) 47.174,8.565 47.174,8.771 47.187,8.783 U9.12@47.792,8.783
  Bottom Layer w0.254: R43.2@45.654,9.296 45.654,9.196 46.593,8.258 46.72,8.258 46.969,8.507 v1(47.117,8.507)
NetR45_2: R45.2 U9.13 | length 2.7
  Top Layer w0.254: U9.13@49.047,7.544 49.047,6.49 R45.2@50.216,5.321
NRST: R3.1 SW1.2 U1.7 | length 22.2
  Top Layer w0.254: U1.7@39.239,43.895 39.239,41.304 39.675,40.869 46.533,40.869 46.863,40.538 46.863,35.331 46.584,35.052 R3.1@44.348,35.052 ; SW1.2@40.64,35.052 R3.1@44.323,35.052 ; R3.1@44.323,35.243 44.323,35.103 R3.1@44.348,35.077
NTJRST_F103: J2.1 U1.40 | length 15.5
  Top Layer w0.254: J2.1@27.559,38.855 27.629,38.925 27.629,39.837 28.21,40.418 28.214,40.418 30.793,42.997 30.793,48.776 31.4,49.383 U1.40@34.751,49.383
NTRST_F407: U1.26 U8.14 | length 53.2
  Top Layer w0.254: v1(29.87,27.686) 29.87,27.538 30.035,27.374 U8.14@30.035,25.756 ; v1(31.369,28.854) 42.687,28.854 42.863,29.031 42.863,31.746 43.379,32.261 47.309,32.261 49.251,34.203 49.251,50.241 45.06,54.432 42.012,54.432 41.239,53.66 U1.26@41.239,52.371
  Bottom Layer w0.254: v1(29.87,27.686) 30.48,27.686 31.265,28.471 31.265,28.75 v1(31.369,28.854)
NTRST_F408: C52.2 R35.1 SW3.2 | length 5.2
  Top Layer w0.254: v1(22.606,32.08) 22.606,32.047 23.038,31.615 SW3.2@23.038,30.159
  Bottom Layer w0.254: v1(22.606,32.08) 22.502,32.185 22.502,32.401 R35.1@21.895,33.007 23.517,33.007 C52.2@23.673,33.163
OUTA+: J13.1 U6.4 | length 9.2
  Top Layer w0.254: J13.1@1.473,24.562 3.404,24.562 5.698,22.268 6.18,22.268 7.505,20.943 U6.4@9.155,20.943
OUTA-: J13.2 U6.6 | length 8.4
  Top Layer w0.254: J13.2@1.473,22.022 1.867,22.022 2.39,21.499 2.39,21.41 3.836,19.964 U6.6@8.989,19.964
OUTB+: J13.3 U6.7 | length 7.7
  Top Layer w0.254: J13.3@1.473,19.482 3.803,19.482 3.821,19.499 6.313,19.499 6.37,19.443 U6.7@9.155,19.443
OUTB-: J13.4 U6.9 | length 8.3
  Top Layer w0.254: J13.4@1.473,16.942 5.029,16.942 6.53,18.443 U6.9@9.155,18.443
PH: U3.15 U8.63 | length 30.3
  Top Layer w0.254: v1(30.505,12.202) 30.535,12.172 U8.63@30.535,10.28 ; v1(42.926,13.767) 42.822,13.871 42.248,13.871 41.91,14.209 41.91,16.434 42.783,17.307 45.653,17.307 47.099,18.753 48.413,18.753 49.638,19.978 49.638,20.841 U3.15@49.661,20.864
  Bottom Layer w0.254: v1(30.505,12.202) 30.505,11.038 30.654,10.889 39.602,10.889 40.673,11.961 40.673,11.995 41.507,12.828 41.988,12.828 v1(42.926,13.767)